# Altium PCB TMS320F28379D_Interfaz_.PcbDoc (part 4 of 5)
Units mil, origin at the board's own origin, x right, y up, seen from the top; angles counter-clockwise.
Board outline 7050 x 6150 mil, 4 copper layers (Top Layer, GND plane, Power supply plane, Bottom Layer), stack 30.634 mil thick; 614 components, 361 nets, 2002 pads, 627 vias.
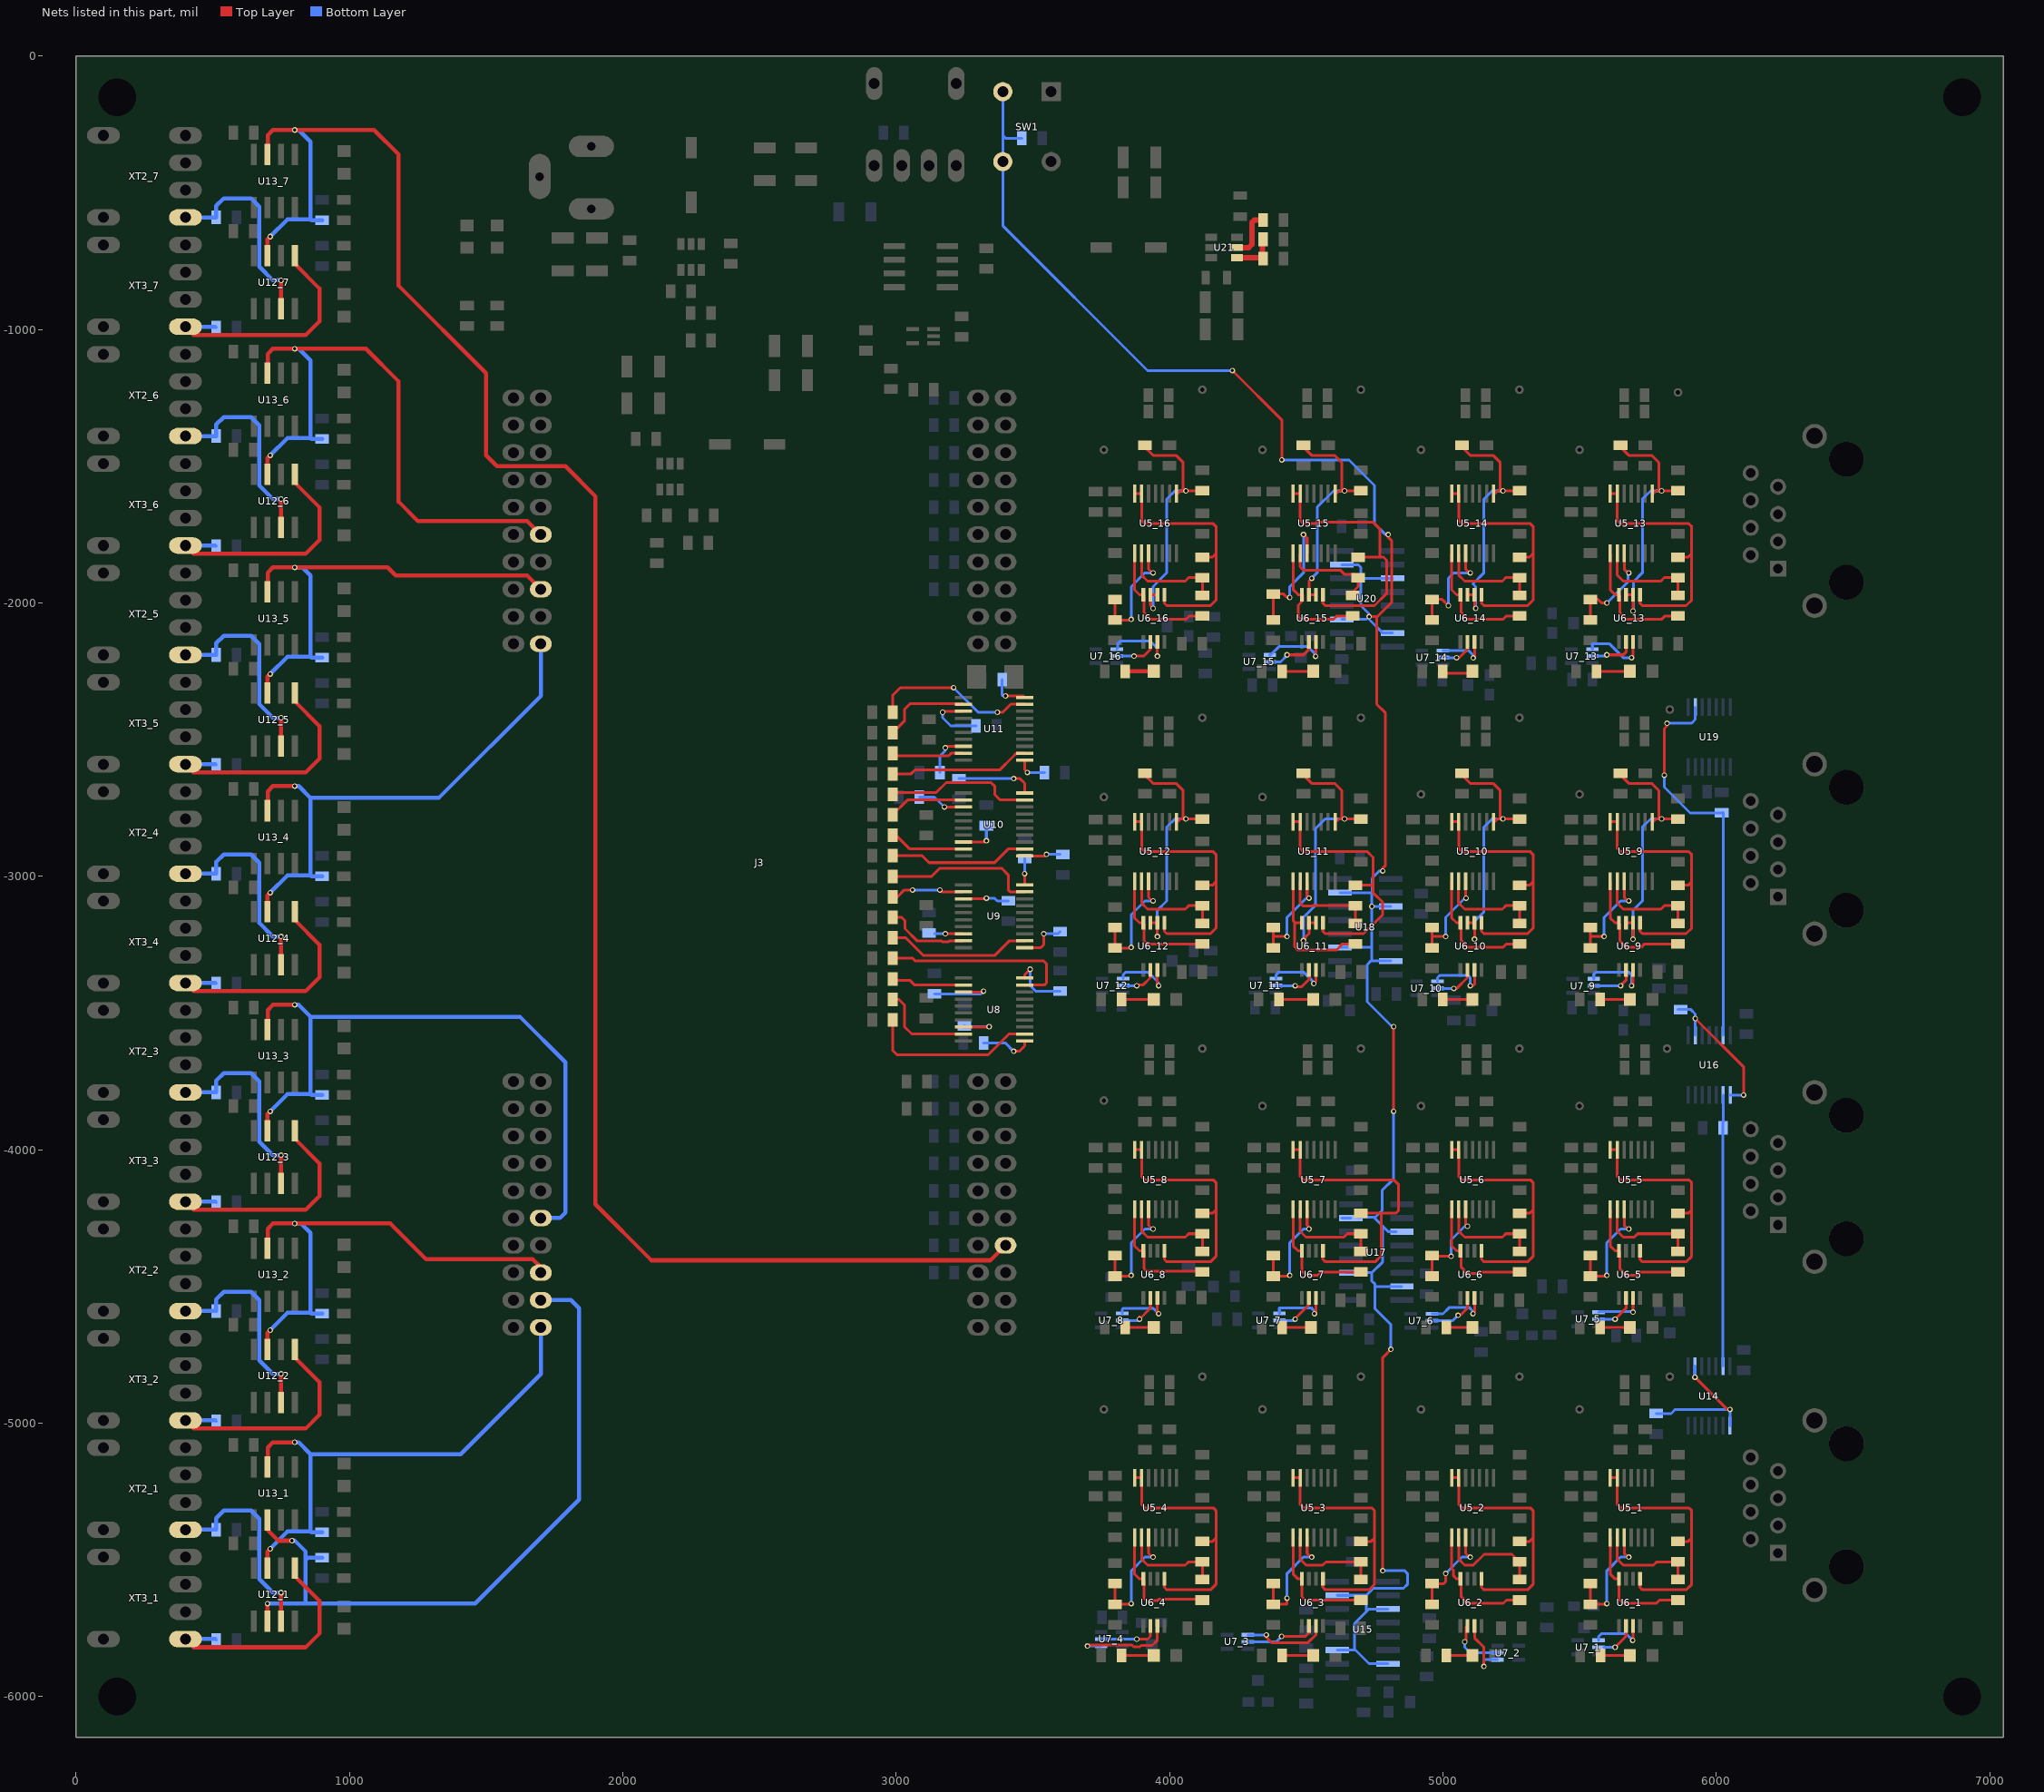
[diagram p6: the nets of this part, all layers, seen from the top]

## Via types
v1: diameter 20, hole 12, Top Layer to Bottom Layer, 538 vias
v2: diameter 30, hole 18, Top Layer to Bottom Layer, 80 vias
v3: diameter 30, hole 20, Top Layer to Bottom Layer, 6 vias
v4: diameter 32, hole 18, Top Layer to Bottom Layer, 3 vias

## Nets (pads, with @x,y where several pads share a name; then routed paths per layer and width w, separated by ;. In a path a pad name is that pad's centre, name@x,y a point inside that pad or via, vN(x,y) a via of type N, cw(c..) or ccw(c..) an arc to the next point about the centre after c; other vN are vias at no path point) (continued)
NetR14_9_2: R14_9.2 R16_9.1 U5_9.1 U6_9.2 U6_9.3 | length 967.1
  Top Layer w10: R14_9.2@5646.3,-2626.3 5680,-2660 5763.48,-2660 5790,-2686.52 v1@5790,-2790 ; U6_9.3@5670,-3170 U6_9.2@5695.59,-3170 v1(5695.59,-3230) ; U5_9.1@5765.59,-2800 5770,-2800 5780,-2790 v1@5790,-2790 ; R16_9.1@5860,-2780 5850,-2790 v1(5800,-2790) v1@5790,-2790
  Bottom Layer w10: v1(5695.59,-3230) 5695.59,-3124.41 5730,-3090 5730,-2820 5760,-2790 v1(5800,-2790)
NetR14_10_2: R14_10.2 R16_10.1 U5_10.1 U6_10.2 U6_10.3 | length 967.1
  Top Layer w10: R14_10.2@5066.3,-2626.3 5100,-2660 5183.48,-2660 5210,-2686.52 v1@5210,-2790 ; U6_10.3@5090,-3170 U6_10.2@5115.59,-3170 v1(5115.59,-3230) ; U5_10.1@5185.59,-2800 5190,-2800 5200,-2790 v1@5210,-2790 ; R16_10.1@5280,-2780 5270,-2790 v1(5220,-2790) v1@5210,-2790
  Bottom Layer w10: v1(5115.59,-3230) 5115.59,-3164.41 5150,-3130 5150,-2820 5180,-2790 v1(5220,-2790)
NetR14_11_2: R14_11.2 R16_11.1 U5_11.1 U6_11.2 U6_11.3 | length 1021.8
  Top Layer w10: R14_11.2@4486.3,-2626.3 4520,-2660 4603.48,-2660 4630,-2686.52 v1@4630,-2790 ; v1(4490,-3235) 4490,-3230 4510,-3210 U6_11.3@4510,-3170 U6_11.2@4535.59,-3170 ; U5_11.1@4605.59,-2800 4610,-2800 4620,-2790 v1@4630,-2790 ; R16_11.1@4700,-2780 4690,-2790 v1(4640,-2790) v1@4630,-2790
  Bottom Layer w10: v1(4490,-3235) 4490,-3150 4534,-3106 4534,-2826 4570,-2790 v1(4640,-2790)
NetR14_12_2: R14_12.2 R16_12.1 U5_12.1 U6_12.2 U6_12.3 | length 947.1
  Top Layer w10: R14_12.2@3906.3,-2626.3 3940,-2660 4023.48,-2660 4050,-2686.52 v1@4050,-2790 ; U6_12.3@3930,-3170 U6_12.2@3955.59,-3170 v1(3955.59,-3220) ; U5_12.1@4025.59,-2800 4030,-2800 4040,-2790 v1@4050,-2790 ; R16_12.1@4120,-2780 4110,-2790 v1(4060,-2790) v1@4050,-2790
  Bottom Layer w10: v1(3955.59,-3220) 3955.59,-3124.41 3990,-3090 3990,-2820 4020,-2790 v1(4060,-2790)
NetR14_13_2: R14_13.2 R16_13.1 U5_13.1 U6_13.2 U6_13.3 | length 967.1
  Top Layer w10: R14_13.2@5646.3,-1426.3 5680,-1460 5763.48,-1460 5790,-1486.52 v1@5790,-1590 ; U6_13.3@5670,-1970 U6_13.2@5695.59,-1970 v1(5695.59,-2030) ; U5_13.1@5765.59,-1600 5770,-1600 5780,-1590 v1@5790,-1590 ; R16_13.1@5860,-1580 5850,-1590 v1(5800,-1590) v1@5790,-1590
  Bottom Layer w10: v1(5695.59,-2030) 5697.46,-2028.13 5697.46,-1922.54 5730,-1890 5730,-1620 5760,-1590 v1(5800,-1590)
NetR14_14_2: R14_14.2 R16_14.1 U5_14.1 U6_14.2 U6_14.3 | length 955.4
  Top Layer w10: R14_14.2@5066.3,-1426.3 5100,-1460 5183.48,-1460 5210,-1486.52 v1@5210,-1590 ; U6_14.3@5090,-1970 U6_14.2@5115.59,-1970 5115.59,-2015.59 v1(5120,-2020) ; U5_14.1@5185.59,-1600 5190,-1600 5200,-1590 v1@5210,-1590 ; R16_14.1@5280,-1580 5270,-1590 v1(5220,-1590) v1@5210,-1590
  Bottom Layer w10: v1(5120,-2020) 5120,-1940 5110,-1930 5150,-1890 5150,-1620 5180,-1590 v1(5220,-1590)
NetR14_15_2: R14_15.2 R16_15.1 U5_15.1 U6_15.2 U6_15.3 | length 857.7
  Top Layer w10: R14_15.2@4486.3,-1426.3 4520,-1460 4603.48,-1460 4630,-1486.52 v1@4630,-1590 ; v1(4520,-1910) 4510,-1920 U6_15.3@4510,-1970 U6_15.2@4535.59,-1970 ; U5_15.1@4605.59,-1600 4610,-1600 4620,-1590 v1@4630,-1590 ; R16_15.1@4700,-1580 4690,-1590 v1(4640,-1590) v1@4630,-1590
  Bottom Layer w10: v1(4520,-1910) 4540,-1890 4540,-1650 4600,-1590 v1(4640,-1590)
NetR14_16_2: R14_16.2 R16_16.1 U5_16.1 U6_16.2 U6_16.3 | length 957.7
  Top Layer w10: R14_16.2@3906.3,-1426.3 3940,-1460 4023.48,-1460 4050,-1486.52 v1@4050,-1590 ; v1(3940,-2020) 3930,-2010 U6_16.3@3930,-1970 U6_16.2@3955.59,-1970 ; U5_16.1@4025.59,-1600 4030,-1600 4040,-1590 v1@4050,-1590 ; R16_16.1@4120,-1580 4110,-1590 v1(4060,-1590) v1@4050,-1590
  Bottom Layer w10: v1(3940,-2020) 3940,-1940 3990,-1890 3990,-1620 4020,-1590 v1(4060,-1590)
NetR19_1_1: R19_1.1 U5_1.6 U5_1.7 U6_1.1 | length 962
  Top Layer w10: U5_1.7@5612.05,-5200 U5_1.6@5637.64,-5200 5637.64,-5297.64 5650,-5310 5900,-5310 5910,-5320 5910,-5420 ; U6_1.1@5721.18,-5570 5721.18,-5601.18 5730,-5610 5890,-5610 5910,-5590 5910,-5420 ; R19_1.1@5860,-5432.6 5897.4,-5432.6 5910,-5420
NetR19_1_2: R19_1.2 R20_1.1 U5_1.9 | length 381.2
  Top Layer w10: U5_1.9@5637.64,-5418.5 5637.64,-5497.64 5660,-5520 5770,-5520 5782.6,-5507.4 R19_1.2@5860,-5507.4 R20_1.1@5860,-5572.6
NetR19_2_1: R19_2.1 U5_2.6 U5_2.7 U6_2.1 | length 962
  Top Layer w10: U5_2.7@5032.05,-5200 U5_2.6@5057.64,-5200 5057.64,-5297.64 5070,-5310 5320,-5310 5330,-5320 5330,-5420 ; U6_2.1@5141.18,-5570 5141.18,-5601.18 5150,-5610 5310,-5610 5330,-5590 5330,-5420 ; R19_2.1@5280,-5432.6 5317.4,-5432.6 5330,-5420
NetR19_2_2: R19_2.2 R20_2.1 U5_2.9 | length 403.9
  Top Layer w10: U5_2.9@5057.64,-5418.5 5057.64,-5497.64 5080,-5520 5111.01,-5520 5151.01,-5480 5252.6,-5480 R19_2.2@5280,-5507.4 R20_2.1@5280,-5572.6
NetR19_3_1: R19_3.1 U5_3.6 U5_3.7 U6_3.1 | length 962
  Top Layer w10: U5_3.7@4452.05,-5200 U5_3.6@4477.64,-5200 4477.64,-5297.64 4490,-5310 4740,-5310 4750,-5320 4750,-5420 ; U6_3.1@4561.18,-5570 4561.18,-5601.18 4570,-5610 4730,-5610 4750,-5590 4750,-5420 ; R19_3.1@4700,-5432.6 4737.4,-5432.6 4750,-5420
NetR19_3_2: R19_3.2 R20_3.1 U5_3.9 | length 381.2
  Top Layer w10: U5_3.9@4477.64,-5418.5 4477.64,-5497.64 4500,-5520 4560,-5520 4572,-5508 4699.4,-5508 R19_3.2@4700,-5507.4 R20_3.1@4700,-5572.6
NetR19_4_1: R19_4.1 U5_4.6 U5_4.7 U6_4.1 | length 962
  Top Layer w10: U5_4.7@3872.05,-5200 U5_4.6@3897.64,-5200 3897.64,-5297.64 3910,-5310 4160,-5310 4170,-5320 4170,-5420 ; U6_4.1@3981.18,-5570 3981.18,-5601.18 3990,-5610 4150,-5610 4170,-5590 4170,-5420 ; R19_4.1@4120,-5432.6 4157.4,-5432.6 4170,-5420
NetR19_4_2: R19_4.2 R20_4.1 U5_4.9 | length 381.2
  Top Layer w10: U5_4.9@3897.64,-5418.5 3897.64,-5497.64 3920,-5520 4057.4,-5520 4070,-5507.4 R19_4.2@4120,-5507.4 R20_4.1@4120,-5572.6
NetR19_5_1: R19_5.1 U5_5.6 U5_5.7 U6_5.1 | length 962
  Top Layer w10: U5_5.7@5612.05,-4000 U5_5.6@5637.64,-4000 5637.64,-4097.64 5650,-4110 5900,-4110 5910,-4120 5910,-4220 ; U6_5.1@5721.18,-4370 5721.18,-4401.18 5730,-4410 5890,-4410 5910,-4390 5910,-4220 ; R19_5.1@5860,-4232.6 5897.4,-4232.6 5910,-4220
NetR19_5_2: R19_5.2 R20_5.1 U5_5.9 | length 381.2
  Top Layer w10: U5_5.9@5637.64,-4218.5 5637.64,-4297.64 5660,-4320 5700,-4320 5712.6,-4307.4 R19_5.2@5860,-4307.4 R20_5.1@5860,-4372.6
NetR19_6_1: R19_6.1 U5_6.6 U5_6.7 U6_6.1 | length 962
  Top Layer w10: U5_6.7@5032.05,-4000 U5_6.6@5057.64,-4000 5057.64,-4097.64 5070,-4110 5320,-4110 5330,-4120 5330,-4220 ; U6_6.1@5141.18,-4370 5141.18,-4401.18 5150,-4410 5310,-4410 5330,-4390 5330,-4220 ; R19_6.1@5280,-4232.6 5317.4,-4232.6 5330,-4220
NetR19_6_2: R19_6.2 R20_6.1 U5_6.9 | length 381.2
  Top Layer w10: U5_6.9@5057.64,-4218.5 5057.64,-4297.64 5080,-4320 5217.4,-4320 5230,-4307.4 R19_6.2@5280,-4307.4 R20_6.1@5280,-4372.6
NetR19_7_1: R19_7.1 U5_7.6 U5_7.7 U6_7.1 | length 1145.3
  Top Layer w10: U5_7.7@4452.05,-4000 U5_7.6@4477.64,-4000 4477.64,-4097.64 4490,-4110 4820,-4110 4838,-4128 4838,-4222 4827.4,-4232.6 4774.54,-4232.6 ; U6_7.1@4561.18,-4370 4561.18,-4401.18 4570,-4410 4752.53,-4410 4774.54,-4387.98 4774.54,-4232.6 ; R19_7.1@4700,-4232.6 4774.54,-4232.6
NetR19_7_2: R19_7.2 R20_7.1 U5_7.9 | length 381.8
  Top Layer w10: U5_7.9@4477.64,-4218.5 4477.64,-4298.65 4498.99,-4320 4637.4,-4320 4650,-4307.4 R19_7.2@4700,-4307.4 R20_7.1@4700,-4372.6
NetR19_8_1: R19_8.1 U5_8.6 U5_8.7 U6_8.1 | length 962
  Top Layer w10: U5_8.7@3872.05,-4000 U5_8.6@3897.64,-4000 3897.64,-4097.64 3910,-4110 4160,-4110 4170,-4120 4170,-4220 ; U6_8.1@3981.18,-4370 3981.18,-4401.18 3990,-4410 4150,-4410 4170,-4390 4170,-4220 ; R19_8.1@4120,-4232.6 4157.4,-4232.6 4170,-4220
NetR19_8_2: R19_8.2 R20_8.1 U5_8.9 | length 381.2
  Top Layer w10: U5_8.9@3897.64,-4218.5 3897.64,-4297.64 3920,-4320 4057.4,-4320 4070,-4307.4 R19_8.2@4120,-4307.4 R20_8.1@4120,-4372.6
NetR19_9_1: R19_9.1 U5_9.6 U5_9.7 U6_9.1 | length 962
  Top Layer w10: U5_9.7@5612.05,-2800 U5_9.6@5637.64,-2800 5637.64,-2897.64 5650,-2910 5900,-2910 5910,-2920 5910,-3020 ; U6_9.1@5721.18,-3170 5721.18,-3201.18 5730,-3210 5890,-3210 5910,-3190 5910,-3020 ; R19_9.1@5860,-3032.6 5897.4,-3032.6 5910,-3020
NetR19_9_2: R19_9.2 R20_9.1 U5_9.9 | length 381.2
  Top Layer w10: U5_9.9@5637.64,-3018.5 5637.64,-3097.64 5660,-3120 5797.4,-3120 5810,-3107.4 R19_9.2@5860,-3107.4 R20_9.1@5860,-3172.6
NetR19_10_1: R19_10.1 U5_10.6 U5_10.7 U6_10.1 | length 962
  Top Layer w10: U5_10.7@5032.05,-2800 U5_10.6@5057.64,-2800 5057.64,-2897.64 5070,-2910 5320,-2910 5330,-2920 5330,-3020 ; U6_10.1@5141.18,-3170 5141.18,-3201.18 5150,-3210 5310,-3210 5330,-3190 5330,-3020 ; R19_10.1@5280,-3032.6 5317.4,-3032.6 5330,-3020
NetR19_10_2: R19_10.2 R20_10.1 U5_10.9 | length 382.5
  Top Layer w10: U5_10.9@5057.64,-3018.5 5056,-3020.14 5056,-3096 5080,-3120 5217.4,-3120 5230,-3107.4 R19_10.2@5280,-3107.4 R20_10.1@5280,-3172.6
NetR19_11_1: R19_11.1 U5_11.6 U5_11.7 U6_11.1 | length 984.3
  Top Layer w10: U5_11.7@4452.05,-2800 U5_11.6@4477.64,-2800 4477.64,-2897.64 4490,-2910 4723.48,-2910 4743,-2929.52 ; U6_11.1@4561.18,-3170 4561.18,-3201.18 4570,-3210 4710,-3210 4780,-3140 4780,-3095.46 4744,-3059.46 4744,-3032.6 ; R19_11.1@4670,-3032.6 R19_11.1@4680,-3032.6 4744,-3032.6 ; 4743,-2929.53 4744,-2930.53 4744,-3032.6
NetR19_11_2: R19_11.2 R20_11.1 U5_11.9 | length 356.2
  Top Layer w10: U5_11.9@4477.64,-3018.5 4477.64,-3097.64 4489,-3109 4522.01,-3109 4523.61,-3107.4 R19_11.2@4680,-3107.4 4680,-3162.6 R20_11.1@4670,-3172.6
NetR19_12_1: R19_12.1 U5_12.6 U5_12.7 U6_12.1 | length 962
  Top Layer w10: U5_12.7@3872.05,-2800 U5_12.6@3897.64,-2800 3897.64,-2897.64 3910,-2910 4160,-2910 4170,-2920 4170,-3020 ; U6_12.1@3981.18,-3170 3981.18,-3201.18 3990,-3210 4150,-3210 4170,-3190 4170,-3020 ; R19_12.1@4120,-3032.6 4157.4,-3032.6 4170,-3020
NetR19_12_2: R19_12.2 R20_12.1 U5_12.9 | length 381.2
  Top Layer w10: U5_12.9@3897.64,-3018.5 3897.64,-3097.64 3920,-3120 4057.4,-3120 4070,-3107.4 R19_12.2@4120,-3107.4 R20_12.1@4120,-3172.6
NetR19_13_1: R19_13.1 U5_13.6 U5_13.7 U6_13.1 | length 962
  Top Layer w10: U5_13.7@5612.05,-1600 U5_13.6@5637.64,-1600 5637.64,-1697.64 5650,-1710 5900,-1710 5910,-1720 5910,-1820 ; U6_13.1@5721.18,-1970 5721.18,-2001.18 5730,-2010 5890,-2010 5910,-1990 5910,-1820 ; R19_13.1@5860,-1832.6 5897.4,-1832.6 5910,-1820
NetR19_13_2: R19_13.2 R20_13.1 U5_13.9 | length 381.2
  Top Layer w10: U5_13.9@5637.64,-1818.5 5637.64,-1897.64 5660,-1920 5797.4,-1920 5810,-1907.4 R19_13.2@5860,-1907.4 R20_13.1@5860,-1972.6
NetR19_14_1: R19_14.1 U5_14.6 U5_14.7 U6_14.1 | length 962
  Top Layer w10: U5_14.7@5032.05,-1600 U5_14.6@5057.64,-1600 5057.64,-1697.64 5070,-1710 5320,-1710 5330,-1720 5330,-1820 ; U6_14.1@5141.18,-1970 5141.18,-2001.18 5150,-2010 5310,-2010 5330,-1990 5330,-1820 ; R19_14.1@5280,-1832.6 5317.4,-1832.6 5330,-1820
NetR19_14_2: R19_14.2 R20_14.1 U5_14.9 | length 381.2
  Top Layer w10: U5_14.9@5057.64,-1818.5 5057.64,-1897.64 5080,-1920 5217.4,-1920 5230,-1907.4 R19_14.2@5280,-1907.4 R20_14.1@5280,-1972.6
NetR19_15_1: R19_15.1 U5_15.6 U5_15.7 U6_15.1 | length 1043.2
  Top Layer w10: U5_15.7@4452.05,-1600 U5_15.6@4477.64,-1600 4477.64,-1697.64 4490,-1710 4534,-1710 4540,-1704 4744,-1704 4770,-1730 4770,-1832.6 ; U6_15.1@4561.18,-1970 4561.18,-2001.18 4570,-2010 4750,-2010 4794,-1966 4794,-1844 4782.6,-1832.6 4770,-1832.6 ; R19_15.1@4700,-1832.6 4770,-1832.6
NetR19_15_2: R19_15.2 R20_15.1 U5_15.9 | length 351.9
  Top Layer w10: U5_15.9@4477.64,-1818.5 4477.64,-1867.81 4477.46,-1867.99 4489.47,-1880 4624.54,-1880 4639.45,-1894.9 4677.5,-1894.9 R19_15.2@4690,-1907.4 4690,-1940 4670,-1960 R20_15.1@4670,-1972.6
NetR19_16_1: R19_16.1 U5_16.6 U5_16.7 U6_16.1 | length 962
  Top Layer w10: U5_16.7@3872.05,-1600 U5_16.6@3897.64,-1600 3897.64,-1697.64 3910,-1710 4160,-1710 4170,-1720 4170,-1820 ; U6_16.1@3981.18,-1970 3981.18,-2001.18 3990,-2010 4150,-2010 4170,-1990 4170,-1820 ; R19_16.1@4120,-1832.6 4157.4,-1832.6 4170,-1820
NetR19_16_2: R19_16.2 R20_16.1 U5_16.9 | length 381.2
  Top Layer w10: U5_16.9@3897.64,-1818.5 3897.64,-1897.64 3920,-1920 4057.4,-1920 4070,-1907.4 R19_16.2@4120,-1907.4 R20_16.1@4120,-1972.6
NetR20_1_2: R20_1.2 U5_1.8 U6_1.4 | length 474.2
  Top Layer w10: U5_1.8@5612.05,-5418.5 5612.05,-5552.05 5630,-5570 U6_1.4@5644.41,-5570 5644.41,-5644.41 5659,-5659 5781,-5659 5792.6,-5647.4 R20_1.2@5860,-5647.4
NetR20_2_2: R20_2.2 U5_2.8 U6_2.4 | length 467.2
  Top Layer w10: U5_2.8@5032.05,-5418.5 5032.05,-5531.04 5039,-5537.99 5039,-5559 5050,-5570 U6_2.4@5064.41,-5570 5067,-5572.59 5067,-5635 5091,-5659 5221,-5659 5232.6,-5647.4 R20_2.2@5280,-5647.4
NetR20_3_2: R20_3.2 U5_3.8 U6_3.4 | length 458.7
  Top Layer w10: U5_3.8@4452.05,-5418.5 4452.05,-5552.05 4470,-5570 U6_3.4@4484.41,-5570 4484.41,-5634.41 4497.4,-5647.4 R20_3.2@4700,-5647.4
NetR20_4_2: R20_4.2 U5_4.8 U6_4.4 | length 465.6
  Top Layer w10: U5_4.8@3872.05,-5418.5 3872.05,-5552.05 3890,-5570 U6_4.4@3904.41,-5570 3907,-5572.59 3907,-5640.53 3915.47,-5649 3955.95,-5649 3960.95,-5644 4115,-5644 R20_4.2@4120,-5649
NetR20_5_2: R20_5.2 U5_5.8 U6_5.4 | length 467.2
  Top Layer w10: U5_5.8@5612.05,-4218.5 5612.05,-4352.05 5630,-4370 U6_5.4@5644.41,-4370 5647,-4372.59 5647,-4435 5671,-4459 5711,-4459 5722.6,-4447.4 R20_5.2@5860,-4447.4
NetR20_6_2: R20_6.2 U5_6.8 U6_6.4 | length 459.3
  Top Layer w10: U5_6.8@5032.05,-4218.5 5032.05,-4352.05 5050,-4370 U6_6.4@5064.41,-4370 5067,-4372.59 5067,-4430 5090,-4453 5125.12,-4453 5130.72,-4447.4 R20_6.2@5280,-4447.4
NetR20_7_2: R20_7.2 U5_7.8 U6_7.4 | length 474.2
  Top Layer w10: U5_7.8@4452.05,-4218.5 4452.05,-4352.05 4470,-4370 U6_7.4@4484.41,-4370 4484.41,-4444.41 4499,-4459 4542.01,-4459 4553.61,-4447.4 R20_7.2@4700,-4447.4
NetR20_8_2: R20_8.2 U5_8.8 U6_8.4 | length 457.6
  Top Layer w10: U5_8.8@3872.05,-4218.5 3872.05,-4352.05 3890,-4370 U6_8.4@3904.41,-4370 3907,-4372.59 3907,-4435 3916,-4444 4116.6,-4444 R20_8.2@4120,-4447.4
NetR20_9_2: R20_9.2 U5_9.8 U6_9.4 | length 467.2
  Top Layer w10: U5_9.8@5612.05,-3018.5 5612.05,-3152.05 5630,-3170 U6_9.4@5644.41,-3170 5647,-3172.59 5647,-3235 5671,-3259 5725.95,-3259 5737.54,-3247.4 R20_9.2@5860,-3247.4
NetR20_10_2: R20_10.2 U5_10.8 U6_10.4 | length 467.2
  Top Layer w10: U5_10.8@5032.05,-3018.5 5032.05,-3152.05 5050,-3170 U6_10.4@5064.41,-3170 5067,-3172.59 5067,-3235 5091,-3259 5221,-3259 5232.6,-3247.4 R20_10.2@5280,-3247.4
NetR20_11_2: R20_11.2 U5_11.8 U6_11.4 | length 494.4
  Top Layer w10: U5_11.8@4452.05,-3018.5 4452.05,-3162.05 4460,-3170 ; U6_11.4@4484.41,-3170 4460,-3170 ; R20_11.2@4670,-3247.4 4632.6,-3247.4 4610,-3270 4470,-3270 4458,-3258 4458,-3172 4460,-3170
NetR20_12_2: R20_12.2 U5_12.8 U6_12.4 | length 457.6
  Top Layer w10: U5_12.8@3872.05,-3018.5 3872.05,-3152.05 3890,-3170 U6_12.4@3904.41,-3170 3907,-3172.59 3907,-3235 3919.4,-3247.4 R20_12.2@4120,-3247.4
NetR20_13_2: R20_13.2 U5_13.8 U6_13.4 | length 467.2
  Top Layer w10: U5_13.8@5612.05,-1818.5 5612.05,-1952.05 5630,-1970 U6_13.4@5644.41,-1970 5647,-1972.59 5647,-2035 5671,-2059 5801,-2059 5812.6,-2047.4 R20_13.2@5860,-2047.4
NetR20_14_2: R20_14.2 U5_14.8 U6_14.4 | length 467.2
  Top Layer w10: U5_14.8@5032.05,-1818.5 5032.05,-1952.05 5050,-1970 U6_14.4@5064.41,-1970 5067,-1972.59 5067,-2035 5091,-2059 5221,-2059 5232.6,-2047.4 R20_14.2@5280,-2047.4
NetR20_15_2: R20_15.2 U5_15.8 U6_15.4 | length 470
  Top Layer w10: U5_15.8@4452.05,-1818.5 4452.05,-1951.04 4469,-1967.99 4469,-1969 4470,-1970 U6_15.4@4484.41,-1970 4487,-1972.59 4487,-1991.99 4471,-2007.99 4471,-2051 4480,-2060 4600,-2060 4612.6,-2047.4 R20_15.2@4670,-2047.4
NetR20_16_2: R20_16.2 U5_16.8 U6_16.4 | length 467.2
  Top Layer w10: U5_16.8@3872.05,-1818.5 3872.05,-1952.05 3890,-1970 U6_16.4@3904.41,-1970 3907,-1972.59 3907,-2035 3931,-2059 4061,-2059 4072.6,-2047.4 R20_16.2@4120,-2047.4
NetR22_1_2: R22_1.2 R23_1.2 U5_1.10 | length 441.2
  Top Layer w10: R23_1.2@5542.6,-5590 R23_1.2@5540,-5587.4 R22_1.2@5540,-5662.6 5597.4,-5662.6 v1(5600,-5660) ; U5_1.10@5663.23,-5418.5 5663.23,-5476.77 5676.46,-5490 v1(5680,-5490)
  Bottom Layer w10: v1(5600,-5660) 5600,-5540 5650,-5490 v1(5680,-5490)
NetR22_2_2: R22_2.2 R23_2.2 U5_2.10 | length 353.6
  Top Layer w10: R22_2.2@4960,-5662.6 R23_2.2@4960,-5587.4 5002.6,-5587.4 5010,-5580 v1(5010,-5550) ; U5_2.10@5083.23,-5418.5 5083.23,-5476.77 5096.46,-5490 v1(5100,-5490)
  Bottom Layer w10: v1(5010,-5550) 5070,-5490 v1(5100,-5490)
NetR22_3_2: R22_3.2 R23_3.2 U5_3.10 | length 436.8
  Top Layer w10: R23_3.2@4382.6,-5590 R23_3.2@4380,-5587.4 R22_3.2@4380,-5662.6 4430,-5662.6 v1(4430,-5640) ; U5_3.10@4503.23,-5418.5 4503.23,-5476.77 4516.46,-5490 v1(4520,-5490)
  Bottom Layer w10: v1(4430,-5640) 4430,-5550 4490,-5490 v1(4520,-5490)
NetR22_4_2: R22_4.2 R23_4.2 U5_4.10 | length 441.2
  Top Layer w10: R23_4.2@3802.6,-5590 R23_4.2@3800,-5587.4 R22_4.2@3800,-5662.6 3857.4,-5662.6 v1(3860,-5660) ; U5_4.10@3923.23,-5418.5 3923.23,-5476.77 3936.46,-5490 v1(3940,-5490)
  Bottom Layer w10: v1(3860,-5660) 3860,-5540 3910,-5490 v1(3940,-5490)
NetR22_5_2: R22_5.2 R23_5.2 U5_5.10 | length 441.2
  Top Layer w10: R23_5.2@5542.6,-4390 R23_5.2@5540,-4387.4 R22_5.2@5540,-4462.6 5597.4,-4462.6 v1(5600,-4460) ; U5_5.10@5663.23,-4218.5 5663.23,-4276.77 5676.46,-4290 v1(5680,-4290)
  Bottom Layer w10: v1(5600,-4460) 5600,-4340 5650,-4290 v1(5680,-4290)
NetR22_6_2: R22_6.2 R23_6.2 U5_6.10 | length 358.4
  Top Layer w10: R22_6.2@4960,-4462.6 R23_6.2@4960,-4387.4 4962.6,-4390 v1(5030,-4390) ; U5_6.10@5083.23,-4218.5 5083.23,-4276.77 5090,-4283.54 v1(5090,-4280)
  Bottom Layer w10: v1(5030,-4390) 5030,-4330 5080,-4280 v1(5090,-4280)
NetR22_7_2: R22_7.2 R23_7.2 U5_7.10 | length 434.1
  Top Layer w10: R23_7.2@4382.6,-4390 R23_7.2@4380,-4387.4 R22_7.2@4380,-4462.6 4437.4,-4462.6 v1(4440,-4460) ; U5_7.10@4503.23,-4218.5 4503.23,-4276.77 4516.46,-4290 v1(4510,-4290)
  Bottom Layer w10: v1(4440,-4460) 4440,-4340 4490,-4290 v1(4510,-4290)
NetR22_8_2: R22_8.2 R23_8.2 U5_8.10 | length 441.2
  Top Layer w10: R23_8.2@3802.6,-4390 R23_8.2@3800,-4387.4 R22_8.2@3800,-4462.6 3857.4,-4462.6 v1(3860,-4460) ; U5_8.10@3923.23,-4218.5 3923.23,-4276.77 3936.46,-4290 v1(3940,-4290)
  Bottom Layer w10: v1(3860,-4460) 3860,-4340 3910,-4290 v1(3940,-4290)
NetR22_9_2: R22_9.2 R23_9.2 U5_9.10 | length 394.2
  Top Layer w10: R22_9.2@5540,-3262.6 5540,-3220 ; R23_9.2@5542.6,-3190 R23_9.2@5540,-3187.4 5540,-3220 ; v1(5590,-3220) 5540,-3220 ; U5_9.10@5663.23,-3018.5 5663.23,-3076.77 5676.46,-3090 v1(5680,-3090)